# KiCad board ILM139C.kicad_pcb (continued)
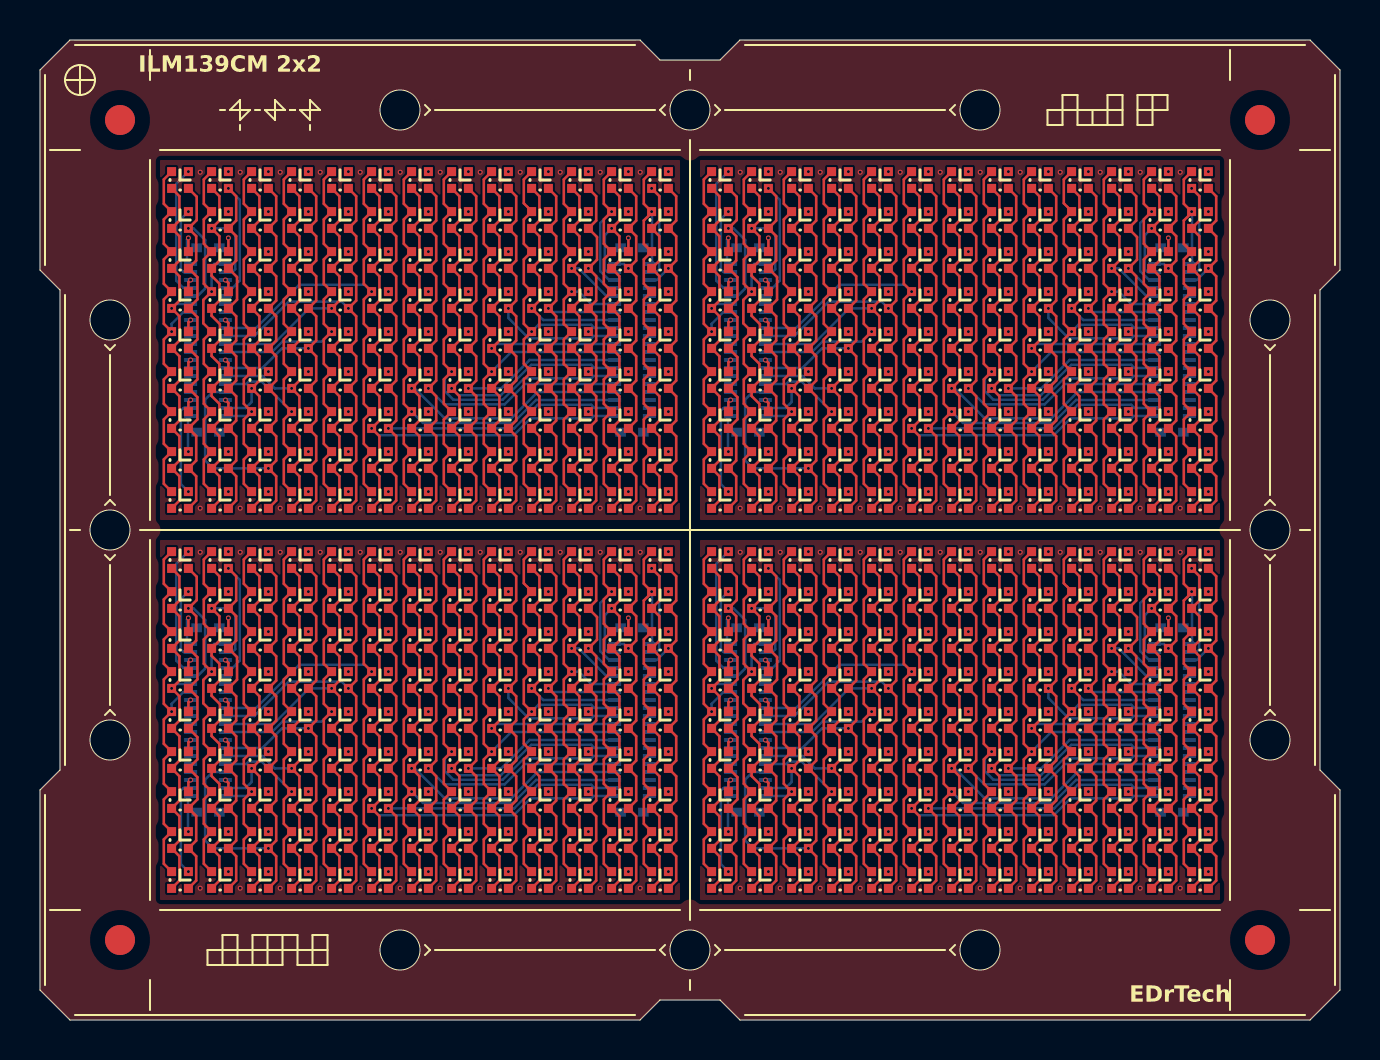
[diagram p0: board, top side]
## Routing (per net, layer and track width the routed paths; a pad name or vN(x,y) marks a point on that pad's centre or on a via; arc(x,y) is an arc through that point) (continued)
S35: length 85.2
  Top w0.127: U83#4.3 28.97,22.19 28.97,20.97 v1(28.58,20.58) 28.97,20.19 28.97,18.97 U89.3 28.97,18.19 28.97,16.97 U92#2.3 28.97,16.19 28.97,14.97 U95#2.3 28.97,14.19 28.97,12.97 U98#2.3 28.97,12.19 28.97,10.97 U101#4.3 28.97,10.19 28.97,8.97 U104.3 28.97,8.19 28.97,6.97 U107#4.3 ; U83.3 55.97,22.19 55.97,20.97 v1(55.58,20.58) 55.97,20.19 55.97,18.97 U89#3.3 55.97,18.19 55.97,16.97 U92#3.3 55.97,16.19 55.97,14.97 U95#4.3 55.97,14.19 55.97,12.97 U98#4.3 55.97,12.19 55.97,10.97 U101#2.3 55.97,10.19 55.97,8.97 U104#4.3 55.97,8.19 55.97,6.97 U107.3 ; U83#2.3 28.97,41.19 28.97,39.97 v1(28.58,39.58) 28.97,39.19 28.97,37.97 U89#4.3 28.97,37.19 28.97,35.97 U92.3 28.97,35.19 28.97,33.97 U95.3 28.97,33.19 28.97,31.97 U98.3 28.97,31.19 28.97,29.97 U101#3.3 28.97,29.19 28.97,27.97 U104#2.3 28.97,27.19 28.97,25.97 U107#2.3 ; U107#3.3 55.97,25.97 55.97,27.19 U104#3.3 55.97,27.97 55.97,29.19 U101.3 55.97,29.97 55.97,31.19 U98#3.3 55.97,31.97 55.97,33.19 U95#3.3 55.97,33.97 55.97,35.19 U92#4.3 55.97,35.97 55.97,37.19 U89#2.3 55.97,37.97 55.97,39.19 v1(55.58,39.58) 55.97,39.97 55.97,41.19 U83#3.3
  Bottom w0.127: v1(28.58,20.58) 28.24,20.24 28.24,18.54 28.38,18.4 CN3.39 ; CN3#4.39 55.38,18.4 55.24,18.54 55.24,20.24 v1(55.58,20.58) ; CN3#3.39 28.38,37.4 28.24,37.54 28.24,39.24 v1(28.58,39.58) ; v1(55.58,39.58) 55.24,39.24 55.24,37.54 55.38,37.4 CN3#2.39
S36: length 77.5
  Top w0.127: U83.2 56.81,22.19 56.81,20.97 U86.2 56.42,20.58 56.81,20.19 56.81,18.97 v1(56.42,18.58) 56.81,18.19 56.81,16.97 U92#3.2 56.81,16.19 56.81,14.97 U95#4.2 56.81,14.19 56.81,12.97 U98#4.2 56.81,12.19 56.81,10.97 U101#2.2 56.81,10.19 56.81,8.97 U104#4.2 56.81,8.19 56.81,6.97 U107.2 ; U107#2.2 29.81,25.97 29.81,27.19 U104#2.2 29.81,27.97 29.81,29.19 U101#3.2 29.81,29.97 29.81,31.19 U98.2 29.81,31.97 29.81,33.19 U95.2 29.81,33.97 29.81,35.19 U92.2 29.81,35.97 29.81,37.19 v1(29.42,37.58) 29.81,37.97 29.81,39.19 29.42,39.58 U86#3.2 29.81,39.97 29.81,41.19 U83#2.2 ; U83#4.2 29.81,22.19 29.81,20.97 U86#4.2 29.42,20.58 29.81,20.19 29.81,18.97 v1(29.42,18.58) 29.81,18.19 29.81,16.97 U92#2.2 29.81,16.19 29.81,14.97 U95#2.2 29.81,14.19 29.81,12.97 U98#2.2 29.81,12.19 29.81,10.97 U101#4.2 29.81,10.19 29.81,8.97 U104.2 29.81,8.19 29.81,6.97 U107#4.2 ; U83#3.2 56.81,41.19 56.81,39.97 U86#2.2 56.42,39.58 56.81,39.19 56.81,37.97 v1(56.42,37.58) 56.81,37.19 56.81,35.97 U92#4.2 56.81,35.19 56.81,33.97 U95#3.2 56.81,33.19 56.81,31.97 U98#3.2 56.81,31.19 56.81,29.97 U101.2 56.81,29.19 56.81,27.97 U104#3.2 56.81,27.19 56.81,25.97 U107#3.2
  Bottom w0.127: v1(29.42,18.58) 29.2,18.8 CN3.40 ; CN3#3.40 29.2,37.8 v1(29.42,37.58) ; CN3#4.40 56.2,18.8 v1(56.42,18.58) ; v1(56.42,37.58) 56.2,37.8 CN3#2.40
S37: length 86.5
  Top w0.127: U118.4 30.19,7.81 30.19,9.03 U117.4 30.19,9.81 30.19,11.03 U116#3.4 30.19,11.81 30.19,13.03 U115.4 30.19,13.81 30.19,15.03 U114#2.4 30.19,15.81 30.19,17.03 U113#4.4 30.19,17.81 30.19,19.03 U112.4 30.19,19.81 30.19,20.98 30.58,21.37 v1(30.58,21.42) 30.19,21.81 30.19,23.03 U110#2.4 ; U118#4.4 30.19,26.81 30.19,28.03 U117#2.4 30.19,28.81 30.19,30.03 U116#2.4 30.19,30.81 30.19,32.03 U115#2.4 30.19,32.81 30.19,34.03 U114#3.4 30.19,34.81 30.19,36.03 U113#2.4 30.19,36.81 30.19,38.03 U112#4.4 30.19,38.81 30.19,39.98 30.58,40.37 v1(30.58,40.42) 30.19,40.81 30.19,42.03 U110#4.4 ; U118#2.4 57.19,26.81 57.19,28.03 U117#4.4 57.19,28.81 57.19,30.03 U116#4.4 57.19,30.81 57.19,32.03 U115#3.4 57.19,32.81 57.19,34.03 U114.4 57.19,34.81 57.19,36.03 U113.4 57.19,36.81 57.19,38.03 U112#3.4 57.19,38.81 57.19,39.98 57.58,40.37 v1(57.58,40.42) 57.19,40.81 57.19,42.03 U110#3.4 ; U118#3.4 57.19,7.81 57.19,9.03 U117#3.4 57.19,9.81 57.19,11.03 U116.4 57.19,11.81 57.19,13.03 U115#4.4 57.19,13.81 57.19,15.03 U114#4.4 57.19,15.81 57.19,17.03 U113#3.4 57.19,17.81 57.19,19.03 U112#2.4 57.19,19.81 57.19,20.98 57.58,21.37 v1(57.58,21.42) 57.19,21.81 57.19,23.03 U110.4
  Bottom w0.127: v1(57.58,40.42) 57.6,40.4 57.6,37.93 ; 30.6,18.93 CN3.1 30.66,18.8 30.69,18.84 30.6,18.93 30.6,18.93 ; 30.6,18.93 30.6,21.4 v1(30.58,21.42) ; 57.6,18.93 57.6,21.4 v1(57.58,21.42) ; 57.6,18.93 57.6,18.93 57.69,18.84 57.66,18.8 CN3#4.1 57.6,18.93 ; 30.6,37.93 30.6,37.93 30.69,37.84 30.66,37.8 CN3#3.1 30.6,37.93 ; 30.6,37.93 30.6,40.4 v1(30.58,40.42) ; 57.6,37.93 57.6,37.93 57.69,37.84 57.66,37.8 CN3#2.1 57.6,37.93
S38: length 93.3
  Top w0.127: v1(30.58,22.58) 30.97,22.19 30.97,20.97 U111.3 30.97,20.19 30.97,18.97 U112.3 30.97,18.19 30.97,16.97 U113#4.3 30.97,16.19 30.97,14.97 U114#2.3 30.97,14.19 30.97,12.97 U115.3 30.97,12.19 30.97,10.97 U116#3.3 30.97,10.19 30.97,8.97 U117.3 30.97,8.19 30.97,6.97 U118.3 ; U118#3.3 57.97,6.97 57.97,8.19 U117#3.3 57.97,8.97 57.97,10.19 U116.3 57.97,10.97 57.97,12.19 U115#4.3 57.97,12.97 57.97,14.19 U114#4.3 57.97,14.97 57.97,16.19 U113#3.3 57.97,16.97 57.97,18.19 U112#2.3 57.97,18.97 57.97,20.19 U111#2.3 57.97,20.97 57.97,22.19 v1(57.58,22.58) ; v1(30.58,41.58) 30.97,41.19 30.97,39.97 U111#4.3 30.97,39.19 30.97,37.97 U112#4.3 30.97,37.19 30.97,35.97 U113#2.3 30.97,35.19 30.97,33.97 U114#3.3 30.97,33.19 30.97,31.97 U115#2.3 30.97,31.19 30.97,29.97 U116#2.3 30.97,29.19 30.97,27.97 U117#2.3 30.97,27.19 30.97,25.97 U118#4.3 ; v1(57.58,41.58) 57.97,41.19 57.97,39.97 U111#3.3 57.97,39.19 57.97,37.97 U112#3.3 57.97,37.19 57.97,35.97 U113.3 57.97,35.19 57.97,33.97 U114.3 57.97,33.19 57.97,31.97 U115#3.3 57.97,31.19 57.97,29.97 U116#4.3 57.97,29.19 57.97,27.97 U117#4.3 57.97,27.19 57.97,25.97 U118#2.3
  Bottom w0.127: CN3#3.2 30.82,37.4 30.96,37.54 30.96,41.2 v1(30.58,41.58) ; CN3#4.2 57.82,18.4 57.96,18.54 57.96,22.2 v1(57.58,22.58) ; v1(30.58,22.58) 30.96,22.2 30.96,18.54 30.82,18.4 CN3.2 ; v1(57.58,41.58) 57.96,41.2 57.96,37.54 57.82,37.4 CN3#2.2
S39: length 79.1
  Top w0.127: U118#4.2 31.81,25.97 31.81,27.19 U117#2.2 31.81,27.97 31.81,29.19 U116#2.2 31.81,29.97 31.81,31.19 U115#2.2 31.81,31.97 31.81,33.19 U114#3.2 31.81,33.97 31.81,35.19 U113#2.2 31.81,35.97 31.81,37.19 v1(31.42,37.58) 31.81,37.97 31.81,39.19 U111#4.2 31.81,39.97 31.81,41.19 U110#4.2 ; U118#2.2 58.81,25.97 58.81,27.19 U117#4.2 58.81,27.97 58.81,29.19 U116#4.2 58.81,29.97 58.81,31.19 U115#3.2 58.81,31.97 58.81,33.19 U114.2 58.81,33.97 58.81,35.19 U113.2 58.81,35.97 58.81,37.19 v1(58.42,37.58) 58.81,37.97 58.81,39.19 U111#3.2 58.81,39.97 58.81,41.19 U110#3.2 ; U110.2 58.81,22.19 58.81,20.97 U111#2.2 58.81,20.19 58.81,18.97 v1(58.42,18.58) 58.81,18.19 58.81,16.97 U113#3.2 58.81,16.19 58.81,14.97 U114#4.2 58.81,14.19 58.81,12.97 U115#4.2 58.81,12.19 58.81,10.97 U116.2 58.81,10.19 58.81,8.97 U117#3.2 58.81,8.19 58.81,6.97 U118#3.2 ; U118.2 31.81,6.97 31.81,8.19 U117.2 31.81,8.97 31.81,10.19 U116#3.2 31.81,10.97 31.81,12.19 U115.2 31.81,12.97 31.81,14.19 U114#2.2 31.81,14.97 31.81,16.19 U113#4.2 31.81,16.97 31.81,18.19 v1(31.42,18.58) 31.81,18.97 31.81,20.19 U111.2 31.81,20.97 31.81,22.19 U110#2.2
  Bottom w0.127: CN3.3 30.84,18 v1(31.42,18.58) ; v1(31.42,37.58) 30.84,37 CN3#3.3 ; CN3#2.3 57.84,37 v1(58.42,37.58) ; CN3#4.3 57.84,18 v1(58.42,18.58)
SW1: length 138.6
  In1.Cu w0.203: v1(31.42,23.42) 31.01,23.01 29.83,23.01 v1(29.42,23.42) 29.01,23.01 27.83,23.01 v1(27.42,23.42) 27.01,23.01 25.83,23.01 v1(25.42,23.42) 25.01,23.01 23.83,23.01 v1(23.42,23.42) 22.99,22.99 21.85,22.99 v1(21.42,23.42) 21.01,23.01 19.83,23.01 v1(19.42,23.42) 19.01,23.01 17.83,23.01 v1(17.42,23.42) 17.01,23.01 15.83,23.01 v1(15.42,23.42) 15.01,23.01 13.83,23.01 v1(13.42,23.42) 13.01,23.01 11.83,23.01 v1(11.42,23.42) 11.01,23.01 9.83,23.01 v1(9.42,23.42) 9.01,23.01 7.83,23.01 v1(7.42,23.42) ; v1(34.42,42.42) 34.83,42.01 36.01,42.01 v1(36.42,42.42) 36.83,42.01 38.01,42.01 v1(38.42,42.42) 38.83,42.01 40.01,42.01 v1(40.42,42.42) 40.83,42.01 42.01,42.01 v1(42.42,42.42) 42.83,42.01 44.01,42.01 v1(44.42,42.42) 44.83,42.01 46.01,42.01 v1(46.42,42.42) 46.83,42.01 48.01,42.01 v1(48.42,42.42) 48.85,41.99 49.99,41.99 v1(50.42,42.42) 50.83,42.01 52.01,42.01 v1(52.42,42.42) 52.83,42.01 54.01,42.01 v1(54.42,42.42) 54.83,42.01 56.01,42.01 v1(56.42,42.42) 56.83,42.01 58.01,42.01 v1(58.42,42.42) ; v1(34.42,23.42) 34.83,23.01 36.01,23.01 v1(36.42,23.42) 36.83,23.01 38.01,23.01 v1(38.42,23.42) 38.83,23.01 40.01,23.01 v1(40.42,23.42) 40.83,23.01 42.01,23.01 v1(42.42,23.42) 42.83,23.01 44.01,23.01 v1(44.42,23.42) 44.83,23.01 46.01,23.01 v1(46.42,23.42) 46.83,23.01 48.01,23.01 v1(48.42,23.42) 48.85,22.99 49.99,22.99 v1(50.42,23.42) 50.83,23.01 52.01,23.01 v1(52.42,23.42) 52.83,23.01 54.01,23.01 v1(54.42,23.42) 54.83,23.01 56.01,23.01 v1(56.42,23.42) 56.83,23.01 58.01,23.01 v1(58.42,23.42) ; v1(7.42,42.42) 7.83,42.01 9.01,42.01 v1(9.42,42.42) 9.83,42.01 11.01,42.01 v1(11.42,42.42) 11.83,42.01 13.01,42.01 v1(13.42,42.42) 13.83,42.01 15.01,42.01 v1(15.42,42.42) 15.83,42.01 17.01,42.01 v1(17.42,42.42) 17.83,42.01 19.01,42.01 v1(19.42,42.42) 19.83,42.01 21.01,42.01 v1(21.42,42.42) 21.85,41.99 22.99,41.99 v1(23.42,42.42) 23.83,42.01 25.01,42.01 v1(25.42,42.42) 25.83,42.01 27.01,42.01 v1(27.42,42.42) 27.83,42.01 29.01,42.01 v1(29.42,42.42) 29.83,42.01 31.01,42.01 v1(31.42,42.42)
  Bottom w0.127: v1(7.42,42.42) 6.81,41.81 6.81,36.96 7.18,36.6 CN4#2.37 ; v1(34.42,42.42) 33.81,41.81 33.81,36.96 34.18,36.6 CN4#4.37 ; v1(34.42,23.42) 33.81,22.81 33.81,17.96 34.18,17.6 CN4#3.37 ; CN4.37 7.18,17.6 6.81,17.96 6.81,22.81 v1(7.42,23.42)
SW2: length 112.9
  In1.Cu w0.203: v1(58.42,21.42) 58.04,21.04 56.8,21.04 v1(56.42,21.42) 56.04,21.8 54.8,21.8 v1(54.42,21.42) v1(52.42,21.42) v1(48.42,21.42) v1(36.42,21.42) v1(34.42,21.42) ; v1(58.42,40.42) 58.04,40.04 56.8,40.04 v1(56.42,40.42) 56.04,40.8 54.8,40.8 v1(54.42,40.42) v1(52.42,40.42) v1(48.42,40.42) v1(36.42,40.42) v1(34.42,40.42) ; v1(31.42,21.42) 31.04,21.04 29.8,21.04 v1(29.42,21.42) 29.04,21.8 27.8,21.8 v1(27.42,21.42) v1(25.42,21.42) v1(21.42,21.42) v1(9.42,21.42) v1(7.42,21.42) ; v1(31.42,40.42) 31.04,40.04 29.8,40.04 v1(29.42,40.42) 29.04,40.8 27.8,40.8 v1(27.42,40.42) v1(25.42,40.42) v1(21.42,40.42) v1(9.42,40.42) v1(7.42,40.42)
  Bottom w0.127: CN4#4.39 34.18,37.4 34.04,37.54 34.04,40.04 v1(34.42,40.42) ; CN4#3.39 34.18,18.4 34.04,18.54 34.04,21.04 v1(34.42,21.42) ; CN4.39 7.18,18.4 7.04,18.54 7.04,21.04 v1(7.42,21.42) ; CN4#2.39 7.18,37.4 7.04,37.54 7.04,40.04 v1(7.42,40.42)
  vias: v1(11.42,40.42) v1(11.42,21.42) v1(13.42,40.42) v1(13.42,21.42) v1(15.42,40.42) v1(15.42,21.42) v1(17.42,40.42) v1(17.42,21.42) v1(19.42,40.42) v1(19.42,21.42) v1(23.42,40.42) v1(23.42,21.42) v1(38.42,40.42) v1(38.42,21.42) v1(40.42,40.42) v1(40.42,21.42) v1(42.42,40.42) v1(42.42,21.42) v1(44.42,40.42) v1(44.42,21.42) v1(46.42,40.42) v1(46.42,21.42) v1(50.42,40.42) v1(50.42,21.42)
SW3: length 116.3
  Top w0.127: U89#3.1 v1(56.42,20.1) ; U13#2.1 v1(36.42,39.1) ; U4#4.1 v1(34.42,20.1) ; U4#2.1 v1(34.42,39.1) ; U4#3.1 v1(7.42,39.1) ; U89#2.1 v1(56.42,39.1) ; U13#3.1 v1(9.42,20.1) ; U13.1 v1(9.42,39.1) ; U89#4.1 v1(29.42,39.1) ; U89.1 v1(29.42,20.1) ; U4.1 v1(7.42,20.1) ; U13#4.1 v1(36.42,20.1)
  In1.Cu w0.203: v1(58.42,19.42) 57.74,20.1 v1(56.42,20.1) 55.1,20.1 v1(54.42,19.42) v1(38.42,19.42) 37.1,19.42 v1(36.42,20.1) v1(34.42,20.1) ; v1(34.42,39.1) v1(36.42,39.1) 37.1,38.42 v1(38.42,38.42) v1(54.42,38.42) 55.1,39.1 v1(56.42,39.1) 57.74,39.1 v1(58.42,38.42) ; v1(7.42,39.1) v1(9.42,39.1) 10.1,38.42 v1(11.42,38.42) v1(27.42,38.42) 28.1,39.1 v1(29.42,39.1) 30.74,39.1 v1(31.42,38.42) ; v1(7.42,20.1) v1(9.42,20.1) 10.1,19.42 v1(11.42,19.42) v1(27.42,19.42) 28.1,20.1 v1(29.42,20.1) 30.74,20.1 v1(31.42,19.42)
  Bottom w0.127: 34.35,18.98 34.35,20.03 v1(34.42,20.1) ; 34.35,18.98 34.35,18.85 34.48,18.85 CN4#3.40 ; 34.35,18.98 CN4#3.40 ; 34.35,18.98 34.27,18.91 34.37,18.8 CN4#3.40 ; 7.35,37.98 7.27,37.91 7.37,37.8 CN4#2.40 ; 7.35,37.98 7.35,39.03 v1(7.42,39.1) ; 7.35,37.98 7.35,37.85 7.48,37.85 CN4#2.40 ; 7.35,37.98 CN4#2.40 ; 7.35,18.98 7.35,18.85 7.48,18.85 CN4.40 ; 7.35,18.98 7.35,20.03 v1(7.42,20.1) ; 7.35,18.98 7.27,18.91 7.37,18.8 CN4.40 ; 7.35,18.98 CN4.40 ; v1(34.42,39.1) 34.35,39.03 34.35,37.98 ; CN4#4.40 34.48,37.85 34.35,37.85 34.35,37.98 ; CN4#4.40 34.35,37.98 ; CN4#4.40 34.37,37.8 34.27,37.91 34.35,37.98
  vias: v1(13.42,38.42) v1(13.42,19.42) v1(15.42,38.42) v1(15.42,19.42) v1(17.42,38.42) v1(17.42,19.42) v1(19.42,38.42) v1(19.42,19.42) v1(21.42,38.42) v1(21.42,19.42) v1(23.42,38.42) v1(23.42,19.42) v1(25.42,38.42) v1(25.42,19.42) v1(40.42,38.42) v1(40.42,19.42) v1(42.42,38.42) v1(42.42,19.42) v1(44.42,38.42) v1(44.42,19.42) v1(46.42,38.42) v1(46.42,19.42) v1(48.42,38.42) v1(48.42,19.42) v1(50.42,38.42) v1(50.42,19.42) v1(52.42,38.42) v1(52.42,19.42)
SW4: length 104.1
  Top w0.127: U14#4.1 9.42,17.85 v1(9.27,18) ; v1(7.53,37) 7.42,36.89 U5#3.1 ; U5#4.1 7.42,17.89 v1(7.53,18) ; v1(36.27,37) 36.42,36.85 U14.1 ; v1(34.53,18) 34.42,17.89 U5#2.1 ; v1(9.27,37) 9.42,36.85 U14#3.1 ; v1(34.53,37) 34.42,36.89 U5.1 ; U14#2.1 36.42,17.85 v1(36.27,18)
  In1.Cu w0.203: v1(58.42,36.42) v1(54.42,36.42) 54.04,36.8 52.8,36.8 v1(52.42,36.42) v1(44.42,36.42) 44.04,36.8 42.8,36.8 v1(42.42,36.42) v1(38.42,36.42) 36.85,36.42 v1(36.27,37) v1(34.53,37) ; v1(7.53,18) v1(9.27,18) 9.85,17.42 v1(11.42,17.42) v1(15.42,17.42) 15.8,17.8 17.04,17.8 v1(17.42,17.42) v1(25.42,17.42) 25.8,17.8 27.04,17.8 v1(27.42,17.42) v1(31.42,17.42) ; v1(31.42,36.42) v1(27.42,36.42) 27.04,36.8 25.8,36.8 v1(25.42,36.42) v1(17.42,36.42) 17.04,36.8 15.8,36.8 v1(15.42,36.42) v1(11.42,36.42) 9.85,36.42 v1(9.27,37) v1(7.53,37) ; v1(58.42,17.42) v1(54.42,17.42) 54.04,17.8 52.8,17.8 v1(52.42,17.42) v1(44.42,17.42) 44.04,17.8 42.8,17.8 v1(42.42,17.42) v1(38.42,17.42) 36.85,17.42 v1(36.27,18) v1(34.53,18)
  vias: v1(13.42,36.42) v1(13.42,17.42) v1(19.42,36.42) v1(19.42,17.42) v1(21.42,36.42) v1(21.42,17.42) v1(23.42,36.42) v1(23.42,17.42) v1(29.42,36.42) v1(29.42,17.42) v1(40.42,36.42) v1(40.42,17.42) v1(46.42,36.42) v1(46.42,17.42) v1(48.42,36.42) v1(48.42,17.42) v1(50.42,36.42) v1(50.42,17.42) v1(56.42,36.42) v1(56.42,17.42)
SW5: length 104.1
  Top w0.127: U15#3.1 36.42,34.85 v1(36.27,35) ; v1(7.53,16) 7.42,15.89 U6#4.1 ; U15#2.1 36.42,15.85 v1(36.27,16) ; v1(7.53,35) 7.42,34.89 U6.1 ; v1(9.27,16) 9.42,15.85 U15#4.1 ; v1(34.53,16) 34.42,15.89 U6#3.1 ; U15.1 9.42,34.85 v1(9.27,35) ; v1(34.53,35) 34.42,34.89 U6#2.1
  In1.Cu w0.203: v1(7.53,16) v1(9.27,16) 9.85,15.42 v1(11.42,15.42) v1(13.42,15.42) 13.8,15.04 15.04,15.04 v1(15.42,15.42) v1(23.42,15.42) 23.8,15.8 25.04,15.8 v1(25.42,15.42) v1(31.42,15.42) ; v1(34.53,16) v1(36.27,16) 36.85,15.42 v1(38.42,15.42) v1(40.42,15.42) 40.8,15.04 42.04,15.04 v1(42.42,15.42) v1(50.42,15.42) 50.8,15.8 52.04,15.8 v1(52.42,15.42) v1(58.42,15.42) ; v1(7.53,35) v1(9.27,35) 9.85,34.42 v1(11.42,34.42) v1(13.42,34.42) 13.8,34.04 15.04,34.04 v1(15.42,34.42) v1(23.42,34.42) 23.8,34.8 25.04,34.8 v1(25.42,34.42) v1(31.42,34.42) ; v1(58.42,34.42) v1(52.42,34.42) 52.04,34.8 50.8,34.8 v1(50.42,34.42) v1(42.42,34.42) 42.04,34.04 40.8,34.04 v1(40.42,34.42) v1(38.42,34.42) 36.85,34.42 v1(36.27,35) v1(34.53,35)
  vias: v1(17.42,34.42) v1(17.42,15.42) v1(19.42,34.42) v1(19.42,15.42) v1(21.42,34.42) v1(21.42,15.42) v1(27.42,34.42) v1(27.42,15.42) v1(29.42,34.42) v1(29.42,15.42) v1(44.42,34.42) v1(44.42,15.42) v1(46.42,34.42) v1(46.42,15.42) v1(48.42,34.42) v1(48.42,15.42) v1(54.42,34.42) v1(54.42,15.42) v1(56.42,34.42) v1(56.42,15.42)
SW6: length 104.1
  Top w0.127: v1(34.53,14) 34.42,13.89 U7#2.1 ; U7#3.1 7.42,13.89 v1(7.53,14) ; U7#4.1 34.42,32.89 v1(34.53,33) ; v1(9.27,14) 9.42,13.85 U16.1 ; U16#4.1 36.42,13.85 v1(36.27,14) ; v1(7.53,33) 7.42,32.89 U7.1 ; v1(9.27,33) 9.42,32.85 U16#2.1 ; U16#3.1 36.42,32.85 v1(36.27,33)
  In1.Cu w0.203: v1(31.42,13.42) v1(23.42,13.42) 23.04,13.04 21.8,13.04 v1(21.42,13.42) 21.04,13.8 19.8,13.8 v1(19.42,13.42) v1(11.42,13.42) 9.85,13.42 v1(9.27,14) v1(7.53,14) ; v1(31.42,32.42) v1(23.42,32.42) 23.04,32.04 21.8,32.04 v1(21.42,32.42) 21.04,32.8 19.8,32.8 v1(19.42,32.42) v1(11.42,32.42) 9.85,32.42 v1(9.27,33) v1(7.53,33) ; v1(58.42,13.42) v1(50.42,13.42) 50.04,13.04 48.8,13.04 v1(48.42,13.42) 48.04,13.8 46.8,13.8 v1(46.42,13.42) v1(38.42,13.42) 36.85,13.42 v1(36.27,14) v1(34.53,14) ; v1(58.42,32.42) v1(50.42,32.42) 50.04,32.04 48.8,32.04 v1(48.42,32.42) 48.04,32.8 46.8,32.8 v1(46.42,32.42) v1(38.42,32.42) 36.85,32.42 v1(36.27,33) v1(34.53,33)
  vias: v1(13.42,32.42) v1(13.42,13.42) v1(15.42,32.42) v1(15.42,13.42) v1(17.42,32.42) v1(17.42,13.42) v1(25.42,32.42) v1(25.42,13.42) v1(27.42,32.42) v1(27.42,13.42) v1(29.42,32.42) v1(29.42,13.42) v1(40.42,32.42) v1(40.42,13.42) v1(42.42,32.42) v1(42.42,13.42) v1(44.42,32.42) v1(44.42,13.42) v1(52.42,32.42) v1(52.42,13.42) v1(54.42,32.42) v1(54.42,13.42) v1(56.42,32.42) v1(56.42,13.42)
SW7: length 104.1
  Top w0.127: v1(34.53,12) 34.42,11.89 U8#4.1 ; U17.1 36.42,11.85 v1(36.27,12) ; v1(36.27,31) 36.42,30.85 U17#3.1 ; v1(7.53,31) 7.42,30.89 U8.1 ; v1(9.27,12) 9.42,11.85 U17#2.1 ; v1(7.53,12) 7.42,11.89 U8#2.1 ; U17#4.1 9.42,30.85 v1(9.27,31) ; U8#3.1 34.42,30.89 v1(34.53,31)
  In1.Cu w0.203: v1(7.53,31) v1(9.27,31) 10.84,31 v1(11.42,30.42) 11.8,30.04 13.04,30.04 v1(13.42,30.42) v1(17.42,30.42) 17.8,30.04 19.04,30.04 v1(19.42,30.42) v1(31.42,30.42) ; v1(58.42,11.42) v1(46.42,11.42) 46.04,11.04 44.8,11.04 v1(44.42,11.42) v1(40.42,11.42) 40.04,11.04 38.8,11.04 v1(38.42,11.42) 37.84,12 v1(36.27,12) v1(34.53,12) ; v1(58.42,30.42) v1(46.42,30.42) 46.04,30.04 44.8,30.04 v1(44.42,30.42) v1(40.42,30.42) 40.04,30.04 38.8,30.04 v1(38.42,30.42) 37.84,31 v1(36.27,31) v1(34.53,31) ; v1(7.53,12) v1(9.27,12) 10.84,12 v1(11.42,11.42) 11.8,11.04 13.04,11.04 v1(13.42,11.42) v1(17.42,11.42) 17.8,11.04 19.04,11.04 v1(19.42,11.42) v1(31.42,11.42)
  vias: v1(15.42,30.42) v1(15.42,11.42) v1(21.42,30.42) v1(21.42,11.42) v1(23.42,30.42) v1(23.42,11.42) v1(25.42,30.42) v1(25.42,11.42) v1(27.42,30.42) v1(27.42,11.42) v1(29.42,30.42) v1(29.42,11.42) v1(42.42,30.42) v1(42.42,11.42) v1(48.42,30.42) v1(48.42,11.42) v1(50.42,30.42) v1(50.42,11.42) v1(52.42,30.42) v1(52.42,11.42) v1(54.42,30.42) v1(54.42,11.42) v1(56.42,30.42) v1(56.42,11.42)
SW8: length 104.8
  In1.Cu w0.203: v1(7.42,28.42) v1(31.42,28.42) ; v1(34.42,28.42) v1(58.42,28.42) ; v1(34.42,9.42) v1(58.42,9.42) ; v1(7.42,9.42) v1(31.42,9.42)
  Bottom w0.127: 34.4,30.07 34.4,28.44 v1(34.42,28.42) ; 34.4,30.07 34.4,30.07 34.32,30.15 34.36,30.2 CN4#4.21 34.4,30.07 ; 7.4,11.07 7.4,9.44 v1(7.42,9.42) ; 7.4,11.07 7.4,11.07 7.32,11.15 7.36,11.2 CN4.21 7.4,11.07 ; v1(34.42,9.42) 34.4,9.44 34.4,11.07 ; 34.4,11.07 34.4,11.07 34.32,11.15 34.36,11.2 CN4#3.21 34.4,11.07 ; 7.4,30.07 7.4,30.07 7.32,30.15 7.36,30.2 CN4#2.21 7.4,30.07 ; 7.4,30.07 7.4,28.44 v1(7.42,28.42)
  vias: v1(9.42,28.42) v1(9.42,9.42) v1(11.42,28.42) v1(11.42,9.42) v1(13.42,28.42) v1(13.42,9.42) v1(15.42,28.42) v1(15.42,9.42) v1(17.42,28.42) v1(17.42,9.42) v1(19.42,28.42) v1(19.42,9.42) v1(21.42,28.42) v1(21.42,9.42) v1(23.42,28.42) v1(23.42,9.42) v1(25.42,28.42) v1(25.42,9.42) v1(27.42,28.42) v1(27.42,9.42) v1(29.42,28.42) v1(29.42,9.42) v1(36.42,28.42) v1(36.42,9.42) v1(38.42,28.42) v1(38.42,9.42) v1(40.42,28.42) v1(40.42,9.42) v1(42.42,28.42) v1(42.42,9.42) v1(44.42,28.42) v1(44.42,9.42) v1(46.42,28.42) v1(46.42,9.42) v1(48.42,28.42) v1(48.42,9.42) v1(50.42,28.42) v1(50.42,9.42) v1(52.42,28.42) v1(52.42,9.42) v1(54.42,28.42) v1(54.42,9.42) v1(56.42,28.42) v1(56.42,9.42)
SW9: length 115
  In1.Cu w0.203: v1(34.42,26.42) v1(58.42,26.42) ; v1(7.42,7.42) v1(31.42,7.42) ; v1(34.42,7.42) v1(58.42,7.42) ; v1(7.42,26.42) v1(31.42,26.42)
  Bottom w0.127: v1(7.42,26.42) 7.04,26.8 7.04,30.46 7.18,30.6 CN4#2.22 ; CN4#3.22 34.18,11.6 34.04,11.46 34.04,7.8 v1(34.42,7.42) ; v1(34.42,26.42) 34.04,26.8 34.04,30.46 34.18,30.6 CN4#4.22 ; v1(7.42,7.42) 7.04,7.8 7.04,11.46 7.18,11.6 CN4.22
  vias: v1(9.42,26.42) v1(9.42,7.42) v1(11.42,26.42) v1(11.42,7.42) v1(13.42,26.42) v1(13.42,7.42) v1(15.42,26.42) v1(15.42,7.42) v1(17.42,26.42) v1(17.42,7.42) v1(19.42,26.42) v1(19.42,7.42) v1(21.42,26.42) v1(21.42,7.42) v1(23.42,26.42) v1(23.42,7.42) v1(25.42,26.42) v1(25.42,7.42) v1(27.42,26.42) v1(27.42,7.42) v1(29.42,26.42) v1(29.42,7.42) v1(36.42,26.42) v1(36.42,7.42) v1(38.42,26.42) v1(38.42,7.42) v1(40.42,26.42) v1(40.42,7.42) v1(42.42,26.42) v1(42.42,7.42) v1(44.42,26.42) v1(44.42,7.42) v1(46.42,26.42) v1(46.42,7.42) v1(48.42,26.42) v1(48.42,7.42) v1(50.42,26.42) v1(50.42,7.42) v1(52.42,26.42) v1(52.42,7.42) v1(54.42,26.42) v1(54.42,7.42) v1(56.42,26.42) v1(56.42,7.42)

## Copper pours and planes (outline as drawn; the poured copper is in the pictures)
GND on Top, Bottom, In1.Cu, In2.Cu: 6,24 32,24 32,6 6,6
GND on Top, Bottom, In1.Cu, In2.Cu: 33,24 59,24 59,6 33,6
GND on Top, Bottom, In1.Cu, In2.Cu: 33,43 59,43 59,25 33,25
GND on Top, Bottom, In1.Cu, In2.Cu: 6,43 32,43 32,25 6,25
(no net) on Top, Bottom, In1.Cu, In2.Cu: 0,49 65,49 65,0 0,0

## Text on the board
B.Silkscreen: v0.1.0 | EDrTech 2025. | ILM139CM Quad 13x9 RGB LED matrix | ILM139CM panel 2x2 | 13x9 RGB LED matrix | ILM139CM | EDrTech
F.Silkscreen: ILM139CM 2x2 | EDrTech
